# Altium PCB DAC5682.PcbDoc (part 1 of 3) (continued)
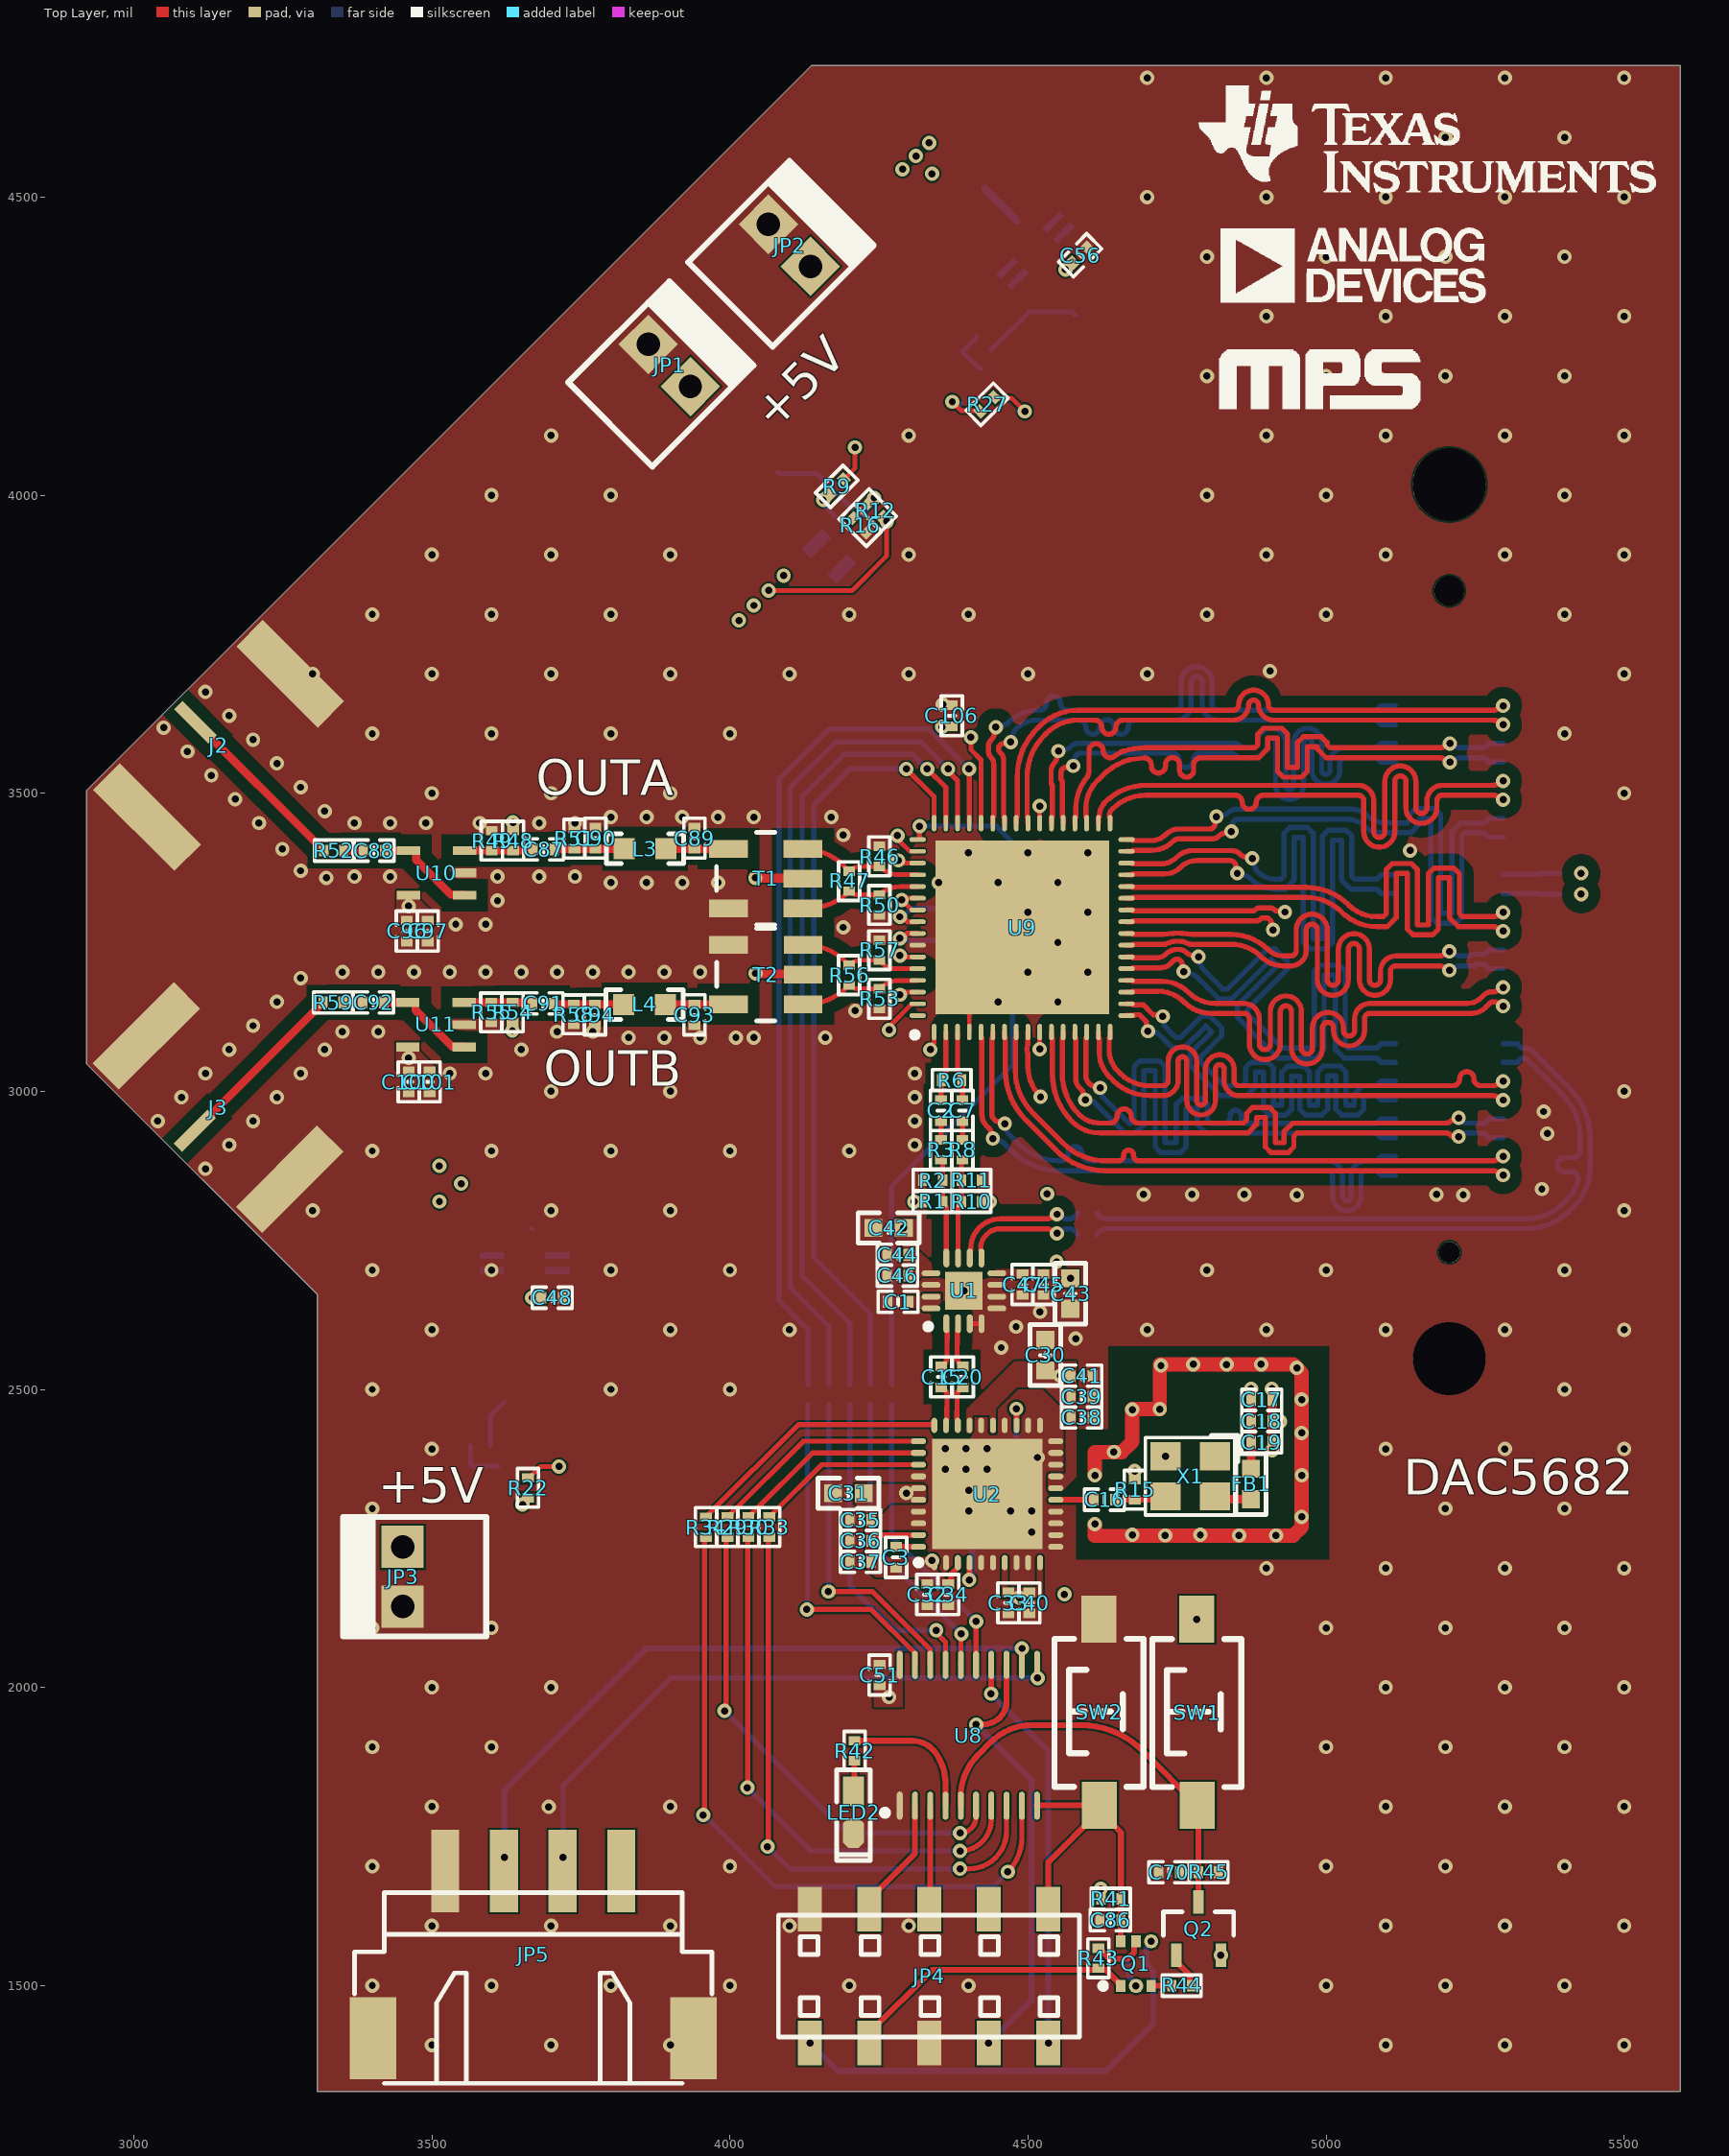
[diagram p0: Top Layer view]
## Design rules (kind name [scope] priority, off if disabled: settings)
Clearance Clearance_1 [InNetClass('Res_Ctrl') vs InNetClass('NO_3V3_D')] p1: gap=20 ignorepadtopadclearanceinfootprint=TRUE
Clearance [All] p2: gap=3 ignorepadtopadclearanceinfootprint=TRUE
DiffPairsRouting DiffPair_100Ohm_Legth_CtrlDiffPairsRouting [InDifferentialPairClass('100Ohm_Length_Equal')] p1: maxlimit=10 minlimit=7.5 mostfreqgap=8 toplayer_minwidth=8.65 toplayer_maxwidth=8.65 toplayer_prefwidth=8.65 midlayer1_minwidth=8.65 midlayer1_maxwidth=8.65 midlayer1_prefwidth=8.65 midlayer2_minwidth=8.65 midlayer2_maxwidth=8.65 midlayer2_prefwidth=8.65 bottomlayer_minwidth=8.65 bottomlayer_maxwidth=8.65 bottomlayer_prefwidth=8.65 maxuncoupledlength=10
DiffPairsRouting DiffPair_100OhmDiffPairsRouting_1 [InDifferentialPairClass('100Ohm')] p2: maxlimit=15 minlimit=7.5 mostfreqgap=8 toplayer_minwidth=8.65 toplayer_maxwidth=8.65 toplayer_prefwidth=8.65 midlayer1_minwidth=8.65 midlayer1_maxwidth=8.65 midlayer1_prefwidth=8.65 midlayer2_minwidth=8.65 midlayer2_maxwidth=8.65 midlayer2_prefwidth=8.65 bottomlayer_minwidth=8.65 bottomlayer_maxwidth=8.65 bottomlayer_prefwidth=8.65 maxuncoupledlength=10
MatchedLengths DiffPair_100Ohm_Legth_CtrlMatchedLengths [InDifferentialPairClass('100Ohm_Length_Equal')] p1: tolerance=10 checknetsindiffpair=FALSE checkdiffpairvsdiffpair=TRUE checkxsignals=TRUE checkothers=TRUE
MatchedLengths DiffPair_MatchedLengths [InDifferentialPairClass('100Ohm')] p2: tolerance=1000 checknetsindiffpair=FALSE checkdiffpairvsdiffpair=TRUE checkxsignals=TRUE checkothers=TRUE
MatchedLengths DiffPair_100OhmMatchedLengths [InDifferentialPairClass('100Ohm_Length_Equal')] p3: tolerance=10 checknetsindiffpair=FALSE checkdiffpairvsdiffpair=TRUE checkxsignals=TRUE checkothers=TRUE
MatchedLengths MatchedLengths_1 [All] p4: tolerance=1000 checknetsindiffpair=FALSE checkdiffpairvsdiffpair=TRUE checkxsignals=TRUE checkothers=TRUE
MatchedLengths [InDifferentialPairClass('100Ohm')] p5: tolerance=1000 checknetsindiffpair=FALSE checkdiffpairvsdiffpair=TRUE checkxsignals=TRUE checkothers=TRUE
MatchedLengths DiffPair_100OhmMatchedLengths_1 [InDifferentialPairClass('100Ohm')] p6: tolerance=10 checknetsindiffpair=FALSE checkdiffpairvsdiffpair=TRUE checkxsignals=TRUE checkothers=TRUE
PlaneConnect [All] p1: planeconnectstyle=Direct reliefexpansion=20 reliefentries=4 reliefconductorwidth=10 reliefairgap=10
PolygonConnect [All] p1: connectstyle=Direct reliefconductorwidth=10 reliefentries=4 polygonreliefangle="90 Angle" airgapwidth=10
RoutingVias [All] p1: holewidth=28 width=50 viastyle="Through Hole" minholewidth=28 minwidth=50 maxholewidth=28 maxwidth=50
SolderMaskExpansion [All] p1: expansion=4 istentingtop=FALSE
Width [All] p1: maxlimit=30 minlimit=7 preferedwidth=10
28 further rules are at their usual default settings.

## Classes and differential pairs
net class NO_3V3_D: +1.8 +3.3 +4V +4V_D +5 +5_D BOOT0 CLK_N CLK_P CP D0_N D0_P D1_N D1_P D2_N D2_P D3_N D3_P D4_N D4_P D5_N D5_P D6_N D6_P D7_N D7_P D8_N D8_P D9_N D9_P D10_N D10_P D11_N D11_P D12_N D12_P D13_N D13_P D14_N D14_P D15_N D15_P D_N D_P DAC_CLKIN_N DAC_CLKIN_P DCLK_IN_N DCLK_IN_P DCLK_N DCLK_P DTR FPGA_CLKIN_N FPGA_CLKIN_P GND IOUTA_N IOUTA_P IOUTB_N IOUTB_P NC NetC1_1 NetC2_1 NetC3_2 NetC5_2 NetC7_1 NetC14_2 NetC16_2 NetC48_1 NetC56_1 NetC87_1 NetC87_2 NetC88_1 NetC88_2 NetC89_1 NetC91_1 NetC91_2 NetC92_1 NetC92_2 NetC93_1 NetC95_1 NetFB1_2 NetFL1_1 NetFL2_1 NetJ2_1 NetJ3_1 NetL1_1 NetL2_1 NetLED1_2 NetLED2_1 NetQ1_2 NetQ1_3 NetQ1_5 NetQ2_1 NetR12_1 NetR21_2 NetR22_2 NetR23_1 NetR26_2 NetR27_2 NetR28_1 NetR61_1 NRST PA2 PA3 PA4 PA5 PA6 PA7 PB0 PB1 PB2 PB3 PF0 PF1 PG Q1_N Q1_P Q2_N Q2_P RESETB_DAC RTS SCK_PLL SCLK_DAC SDENB_DAC SDI_PLL SDIO_DAC SDO_DAC SDO_PLL SEN_PLL SWC SWD SYNC_N SYNC_P UART_RX UART_TX VTUNE XREF
net class Res_Ctrl: CLK_N CLK_P D0_N D0_P D1_N D1_P D2_N D2_P D3_N D3_P D4_N D4_P D5_N D5_P D6_N D6_P D7_N D7_P D8_N D8_P D9_N D9_P D10_N D10_P D11_N D11_P D12_N D12_P D13_N D13_P D14_N D14_P D15_N D15_P D_N D_P DAC_CLKIN_N DAC_CLKIN_P DCLK_IN_N DCLK_IN_P DCLK_N DCLK_P FPGA_CLKIN_N FPGA_CLKIN_P IOUTA_N IOUTA_P IOUTB_N IOUTB_P NetC2_1 NetC7_1 NetC87_1 NetC87_2 NetC88_1 NetC88_2 NetC89_1 NetC91_1 NetC91_2 NetC92_1 NetC92_2 NetC93_1 NetJ2_1 NetJ3_1 Q1_N Q1_P Q2_N Q2_P SYNC_N SYNC_P
differential pair class 100Ohm_Length_Equal: D0 D1 D2 D3 D4 D5 D6 D7 D8 D9 D10 D11 D12 D13 D14 D15 SYNC
differential pair class 100Ohm: CLK D DAC_CLKIN DCLK FPGA_CLKIN Q1 Q2
differential pair DCLK: +DCLK_P -DCLK_N
differential pair DCLK_IN: +DCLK_IN_P -DCLK_IN_N
differential pair SYNC: +SYNC_P -SYNC_N
differential pair D15: +D15_P -D15_N
differential pair D14: +D14_P -D14_N
differential pair D13: +D13_P -D13_N
differential pair D12: +D12_P -D12_N
differential pair D11: +D11_P -D11_N
differential pair D10: +D10_P -D10_N
differential pair D9: +D9_P -D9_N
differential pair D8: +D8_P -D8_N
differential pair D7: +D7_P -D7_N
differential pair D6: +D6_P -D6_N
differential pair D5: +D5_P -D5_N
differential pair D4: +D4_P -D4_N
differential pair D3: +D3_P -D3_N
differential pair D2: +D2_P -D2_N
differential pair D1: +D1_P -D1_N
differential pair D0: +D0_P -D0_N
differential pair Q2: +Q2_P -Q2_N
differential pair Q1: +Q1_P -Q1_N
differential pair FPGA_CLKIN: +FPGA_CLKIN_P -FPGA_CLKIN_N
differential pair DAC_CLKIN: +DAC_CLKIN_P -DAC_CLKIN_N
differential pair D: +D_P -D_N
differential pair CLK: +CLK_P -CLK_N

## Components (designator, comment, footprint, x,y, rotation, side; value= is the part's Value field where it differs from the comment)
C1 "100nF" "C 0402_L" 4282,2646.75 r180 top
C2 "10nF" "C 0402_L" 4354,2967.75 r90 top
C3 "1nF" "C 0402_L" 4278.65,2218.17 r90 top
C4 "56pF" "C 0402_L" 4410.36,2280.46 r270 bottom
C5 "NC" "C 0402_L" 4430.36,2331.46 r0 bottom
C6 "NC" "C 0402_L" 4497.36,2397.46 r180 bottom
C7 "10nF" "C 0402_L" 4390,2967.75 r90 top
C8 "22uF" "C 1206_L" 4250.34,4333.49 r225 bottom
C9 "22uF" "C 1206_L" 3975.98,4061.96 r45 bottom
C10 "22uF" "C 1206_L" 4039.62,3998.32 r45 bottom
C11 "22uF" "C 1206_L" 4312.56,4271.27 r225 bottom
C12 "22uF" "C 1206_L" 3544,2171.75 r90 bottom
C13 "22uF" "C 1206_L" 3632,2171.75 r90 bottom
C14 "1.8nF" "C 0402_L" 4375.36,2347.46 r270 bottom
C15 "10nF" "C 0402_L" 4354.55,2520.84 r90 top
C16 "100nF" "C 0402_L" 4628.08,2315.06 r0 top
C17 "1uF" "C 0402_L" 4891.9,2482.45 r180 top
C18 "10nF" "C 0402_L" 4891.99,2446.81 r180 top
C19 "100pF" "C 0402_L" 4891.93,2411.22 r180 top
C20 "10nF" "C 0402_L" 4390.55,2520.84 r90 top
C21 "22uF" "C 1206_L" 4118.11,3815.18 r135 bottom
C22 "22uF" "C 1206_L" 3975.15,3752.96 r45 bottom
C23 "10uF" "C 0805_L" 3512.6,2777.74 r270 bottom
C24 "10uF" "C 0805_L" 3512.38,2912.28 r90 bottom
C25 "10uF" "C 0805_L" 3724,2591.75 r180 bottom
C26 "10uF" "C 0805_L" 3590,2591.75 r0 bottom
C27 "10uF" "C 0805_L" 3724,2519.75 r180 bottom
C28 "10uF" "C 0805_L" 3590,2519.75 r0 bottom
C29 "4.7uF" "C 0603_L" 4561,2130.75 r90 bottom
C30 "4.7uF" "C 0603_L" 4529,2557.34 r270 top
C31 "4.7uF" "C 0603_L" 4198.71,2325.75 r0 top
C32 "470nF" "C 0402_L" 4331,2155.75 r90 top
C33 "470nF" "C 0402_L" 4467,2141.75 r90 top
C34 "470nF" "C 0402_L" 4366,2155.75 r90 top
C35 "470nF" "C 0402_L" 4218.71,2280.75 r0 top
C36 "470nF" "C 0402_L" 4218.71,2245.75 r0 top
C37 "470nF" "C 0402_L" 4218.75,2210.75 r0 top
C38 "470nF" "C 0402_L" 4590,2452.75 r180 top
C39 "470nF" "C 0402_L" 4590,2487.75 r180 top
C40 "22pF" "C 0402_L" 4502,2141.75 r90 top
C41 "22pF" "C 0402_L" 4590,2522.75 r180 top
C42 "1uF" "C 0603_L" 4266,2770.75 r0 top
C43 "1uF" "C 0603_L" 4571,2660.75 r90 top
C44 "1nF" "C 0402_L" 4281,2725.75 r0 top
C45 "1nF" "C 0402_L" 4526,2675.75 r90 top
C46 "100pF" "C 0402_L" 4281,2690.75 r0 top
C47 "100pF" "C 0402_L" 4491,2675.75 r90 top
C48 "10nF" "C 0402_L" 3701.71,2653.75 r0 top
C49 "10uF" "C 0805_L" 4263.07,4520.17 r225 bottom
C50 "10uF" "C 0805_L" 4357.82,4614.92 r45 bottom
C51 "100nF" "C 0402_L" 4251,2020.75 r90 top
C52 "10uF" "C 0805_L" 4698.64,4319.35 r225 bottom
C53 "10uF" "C 0805_L" 4552.98,4275.51 r45 bottom
C54 "10uF" "C 0805_L" 4647.73,4370.26 r225 bottom
C55 "10uF" "C 0805_L" 4603.89,4224.6 r45 bottom
C56 "10nF" "C 0402_L" 4587.3,4402.39 r45 top
C57 "100nF" "C 0402_L" 4336,3225.76 r180 bottom
C58 "100nF" "C 0402_L" 4320,3139.59 r90 bottom
C59 "100nF" "C 0402_L" 4231,3245.75 r0 bottom
C60 "100nF" "C 0402_L" 4336,3190.76 r180 bottom
C61 "100nF" "C 0402_L" 4337,3334.76 r180 bottom
C62 "100nF" "C 0402_L" 4337,3369.76 r180 bottom
C63 "100nF" "C 0402_L" 4231,3315.74 r0 bottom
C64 "100nF" "C 0402_L" 4231,3280.74 r0 bottom
C65 "100nF" "C 0402_L" 4231,3385.74 r0 bottom
C66 "100nF" "C 0402_L" 4231,3350.74 r0 bottom
C67 "100nF" "C 0402_L" 4483.31,3000.69 r45 bottom
C68 "100nF" "C 0402_L" 4508.06,2975.94 r45 bottom
C69 "100nF" "C 0402_L" 4532.81,2951.2 r45 bottom
C70 "1uF" "C 0402_L" 4736.52,1689.96 r0 top
C71 "100nF" "C 0402_L" 4286,3463.03 r270 bottom
C72 "100nF" "C 0402_L" 4251,3463.03 r270 bottom
C73 "100nF" "C 0402_L" 4216,3463.03 r270 bottom
C74 "100nF" "C 0402_L" 4386,3065.76 r180 bottom
C75 "100nF" "C 0402_L" 4386,3100.76 r180 bottom
C76 "100nF" "C 0402_L" 4386,3135.76 r180 bottom
C77 "100nF" "C 0402_L" 4541,3480.75 r180 bottom
C78 "100nF" "C 0402_L" 4474.03,3480.75 r0 bottom
C79 "100nF" "C 0402_L" 4508.45,3532.45 r270 bottom
C80 "100nF" "C 0402_L" 4216,3085.75 r90 bottom
C81 "100nF" "C 0402_L" 4251,3085.75 r90 bottom
C82 "100nF" "C 0402_L" 4286,3085.75 r90 bottom
C83 "100nF" "C 0402_L" 4553.78,3036.06 r180 bottom
C84 "100nF" "C 0402_L" 4553.78,3071.06 r180 bottom
C85 "100nF" "C 0402_L" 4553.78,3106.06 r180 bottom
C86 "1uF" "C 0402_L" 4637.97,1609.75 r180 top
C87 "100nF" "C 0402_L" 3687.38,3405.61 r0 top
C88 "100nF" "C 0402_L" 3402.77,3403.77 r0 top
C89 "22pF" "C 0402_L" 3940.43,3424.58 r90 top
C90 "22pF" "C 0402_L" 3774.34,3424.58 r90 top
C91 "100nF" "C 0402_L" 3686.55,3147.27 r0 top
C92 "100nF" "C 0402_L" 3401.8,3149.16 r0 top
C93 "22pF" "C 0402_L" 3940.27,3128.26 r270 top
C94 "22pF" "C 0402_L" 3773.27,3128.26 r270 top
C95 "100nF" "C 0402_L" 4411,3275.75 r0 bottom
C96 "100nF" "C 0402_L" 3458,3268.75 r90 top
C97 "100pF" "C 0402_L" 3493,3268.75 r90 top
C98 "100pF" "C 0402_L" 4024.87,3374.66 r0 bottom
C99 "100pF" "C 0402_L" 4024.87,3339.66 r0 bottom
C100 "100nF" "C 0402_L" 3461,3015.75 r90 top
C101 "100pF" "C 0402_L" 3496,3015.75 r90 top
C102 "100pF" "C 0402_L" 4024.87,3214 r0 bottom
C103 "100pF" "C 0402_L" 4024.87,3179 r0 bottom
C104 "10nF" "C 0402_L" 5410.16,3365.66 r180 bottom
C105 "10nF" "C 0402_L" 5410.16,3330.66 r180 bottom
C106 "10nF" "C 0402_L" 4372.07,3630 r270 top
FB1 "120@1MHz" "R 0603_L" 4873.95,2341.27 r270 top
FL1 "NFM18PC104R1C3D" FIL_NFM18PC104R1C3D 3599.5,2844.26 r180 bottom
FL2 "NFM18PC104R1C3D" FIL_NFM18PC104R1C3D 4371.25,4506.73 r135 bottom
J1 "5177984-2" CONN_5177984-2_TYC 5119.83,2827.82 r90 bottom
J2 "132414" CONN_132414_AMP 3000.79,3721.57 r45 top
J3 "132414" CONN_132414_AMP 2999.78,2831.33 r135 top
JP1 "HDR-1X2" KF2510-LI-2P 3898.2,4217.53 r315 top
JP2 "HDR-1X2" KF2510-LI-2P 4099.72,4419.05 r315 top
JP3 "HDR-1X2" KF2510-LI-2P 3451,2185.75 r90 top
JP4 "Header 5X2" HDR2.54-M-LS-2x5P 4333.97,1515.75 r0 top
JP5 "HDR-1X4" XH2.54-WS-4P 3670,1496 r0 top
L1 "2.2uH" L-SMD-0630 3884,2277.75 r90 bottom
L2 "2.2uH" L-SMD-0630 4561.46,3950.24 r45 bottom
L3 "100nH" "L 0603" 3857.39,3406.86 r180 top
L4 "100nH" "L 0603" 3856.77,3145.52 r180 top
LED1 "红色" "LED 0603R" 4184.24,4106.17 r315 bottom
LED2 "绿色" "LED 0603G" 4206.97,1790.75 r270 top
Q1 "MBT3904DW1T1G" ONSC-SOT-363-6-419B-02_W_V 4680.97,1536.75 r90 top
Q2 "SS8550" SOT23-3L 4785.97,1595.75 r0 top
R1 "NC" "R 0402_L" 4341,2814.75 r180 top
R2 "180" "R 0402_L" 4341,2850.75 r180 top
R3 "50" "R 0402_L" 4354,2900.75 r90 top
R4 "0" "R 0402_L" 4446.36,2282.46 r270 bottom
R5 "0" "R 0402_L" 4481.36,2347.46 r270 bottom
R6 "100" "R 0402_L" 4373,3018.75 r180 top
R7 "2.2K" "R 0402_L" 4375.36,2282.46 r270 bottom
R8 "50" "R 0402_L" 4390,2900.75 r90 top
R9 "500" "R 0402_L" 4178.5,4014.01 r45 top
R10 "NC" "R 0402_L" 4406,2814.75 r180 top
R11 "180" "R 0402_L" 4406,2850.75 r180 top
R12 "60K" "R 0402_L" 4243.14,3975.76 r315 top
R13 "182" "R 0402_L" 4548.57,2809.51 r90 bottom
R14 "48" "R 0402_L" 4650,2809.75 r90 bottom
R15 "100" "R 0402_L" 4679.07,2330.56 r90 top
R16 "30K" "R 0402_L" 4217.69,3950.31 r315 top
R17 "48" "R 0402_L" 4598.13,2795.85 r0 bottom
R18 "48" "R 0402_L" 4598.13,2759.85 r0 bottom
R19 "182" "R 0402_L" 4548.61,2744.11 r90 bottom
R20 "48" "R 0402_L" 4650,2744.04 r90 bottom
R21 "510K" "R 0402_L" 3582,2404.75 r180 bottom
R22 "100K" "R 0402_L" 3661,2333.75 r90 top
R23 "30.9K" "R 0402_L" 3652,2807.75 r180 bottom
R24 "100K" "R 0402_L" 3566,2355.75 r270 bottom
R25 "10K" "R 0402_L" 3685,2843.75 r180 bottom
R26 "510K" "R 0402_L" 4426.91,4254.5 r135 bottom
R27 "100K" "R 0402_L" 4430.65,4151.76 r45 top
R28 "30.9K" "R 0402_L" 4441.96,4477.03 r225 bottom
R29 "33" "R 0402_L" 3995.99,2268.04 r90 top
R30 "33" "R 0402_L" 4030.99,2268.04 r90 top
R31 "100K" "R 0402_L" 4379.03,4229.24 r225 bottom
R32 "10K" "R 0402_L" 4440.55,4526.53 r225 bottom
R33 "33" "R 0402_L" 4065.99,2268.04 r90 top
R34 "33" "R 0402_L" 3959.62,2267.99 r90 top
R35 "33" "R 0402_L" 4271,2490.75 r90 bottom
R36 "33" "R 0402_L" 4236,2490.75 r90 bottom
R37 "33" "R 0402_L" 4201,2490.75 r90 bottom
R38 "10K" "R 0402_L" 4682.97,1536.75 r180 bottom
R39 "33" "R 0402_L" 4166,2490.75 r90 bottom
R40 "33" "R 0402_L" 4131,2490.75 r90 bottom
R41 "10K" "R 0402_L" 4637.97,1645.16 r0 top
R42 "10K" "R 0402_L" 4208.97,1894.75 r270 top
R43 "10K" "R 0402_L" 4617.97,1544.75 r90 top
R44 "10K" "R 0402_L" 4756.97,1499.75 r0 top
R45 "10K" "R 0402_L" 4803.68,1690.03 r180 top
R46 "50" "R 0402_L" 4250.74,3395.06 r270 top
R47 "100" "R 0402_L" 4200.07,3351.4 r90 top
R48 "10K" "R 0402_L" 3635.99,3419.5 r90 top
R49 "10K" "R 0402_L" 3600.55,3419.52 r90 top
R50 "50" "R 0402_L" 4250.73,3311.66 r90 top
R51 "50" "R 0402_L" 3739.06,3424.58 r270 top
R52 "50" "R 0402_L" 3334.31,3403.81 r0 top
R53 "50" "R 0402_L" 4250.73,3154.18 r90 top
R54 "10K" "R 0402_L" 3635.19,3133.39 r270 top
R55 "10K" "R 0402_L" 3599.61,3133.38 r270 top
R56 "100" "R 0402_L" 4200.07,3195.88 r270 top
R57 "50" "R 0402_L" 4250.74,3237.58 r270 top
R58 "50" "R 0402_L" 3737.76,3128.05 r90 top
R59 "50" "R 0402_L" 3333.3,3149.1 r0 top
R60 "100" "R 0402_L" 5357.9,3347.22 r90 bottom
R61 "1K" "R 0402_L" 4411,3240.75 r0 bottom
SW1 "3x6x5" "TSW SMD-3*6*2.5" 4783.15,1959.43 r90 top
SW2 "3x6x5" "TSW SMD-3*6*2.5" 4618.97,1959.75 r90 top
T1 "TC1-1T+" FP-TC1-1-13M+-MFG 4059.97,3356.86 r270 top
T2 "TC1-1T+" FP-TC1-1-13M+-MFG 4060.07,3195.88 r270 top
U1 "ADCLK925BCPZ-WP" ADI-CP-16-3_L 4392.48,2665.31 r90 top
U2 "HMC832LP6GE" ADI-LP6G-40_L 4431.36,2324.46 r90 top
U3 "MPM3810GQB-P" QFN2p5x3p0x0p9_MNP 4185.16,3916.36 r135 bottom
U4 "TLV62568DBVR" FP-DBV0005A-MFG 3662.18,2333.15 r180 bottom
U5 "TPS7A8001DRBT" DRB0008A_V 3655.38,2711.82 r270 bottom
U6 "TLV62568DBVR" FP-DBV0005A-MFG 4432.06,4150.35 r135 bottom
U7 "TPS7A8001DRBT" DRB0008A_V 4512.67,4410.57 r315 bottom
U8 "Air001" TSSOP20_L 4399.97,1919.75 r90 top
U9 "DAC5682ZIRGCT" TI-RGC64-7400X7400TP_V 4490.07,3274.62 r90 top
U10 "TPH2501-TR" SOT23-5 3554.97,3328.97 r90 top
U11 "TPH2501-TR" SOT23-5 3554,3074.35 r90 top
X1 "OT322550MJBA4SL" "OSC 3225-4P" 4772.08,2354.06 r180 top

## Footprints (in the part's own frame and the unit in brackets; to place one, negate y for a bottom-side part, rotate by r counter-clockwise, add the part's x,y. Pads: shape width x height; smd on the part's side, far side on the other; paste and mask are expansions set on the pad)
ADI-CP-16-3_L [mm] "QFN, 16-Leads, Body 3x3mm, Pitch 0.5mm, Thermal Pad 1.5x1.5mm, IPC High Density"
  oval 0.8x0.25 smd mask+0: 1(-1.4,0.75) 2(-1.4,0.25) 3(-1.4,-0.25) 4(-1.4,-0.75) 9(1.4,-0.75) 10(1.4,-0.25) 11(1.4,0.25) 12(1.4,0.75)
  oval 0.25x0.8 smd mask+0: 5(-0.75,-1.4) 6(-0.25,-1.4) 7(0.25,-1.4) 8(0.75,-1.4) 13(0.75,1.4) 14(0.25,1.4) 15(-0.25,1.4) 16(-0.75,1.4)
  rect 1.6x1.6 smd mask+0: 17(0,0)
  silkscreen extent -1.65,1.4 -1.4,1.65, body extent -1.55,-1.55 1.55,1.55, height 0.9
ADI-LP6G-40_L [mm] "QFN, 40-Leads, Body 6.1x6.1mm, Pitch 0.5mm, Thermal Pad 4.7x4.7mm, IPC High Density"
  oval 0.65x0.25 smd mask+0: 1(-2.925,2.25) 2(-2.925,1.75) 3(-2.925,1.25) 4(-2.925,0.75) 5(-2.925,0.25) 6(-2.925,-0.25) 7(-2.925,-0.75) 8(-2.925,-1.25) 9(-2.925,-1.75) 10(-2.925,-2.25) 21(2.925,-2.25) 22(2.925,-1.75) 23(2.925,-1.25) 24(2.925,-0.75) 25(2.925,-0.25) 26(2.925,0.25) 27(2.925,0.75) 28(2.925,1.25) 29(2.925,1.75) 30(2.925,2.25)
  oval 0.25x0.65 smd mask+0: 11(-2.25,-2.925) 12(-1.75,-2.925) 13(-1.25,-2.925) 14(-0.75,-2.925) 15(-0.25,-2.925) 16(0.25,-2.925) 17(0.75,-2.925) 18(1.25,-2.925) 19(1.75,-2.925) 20(2.25,-2.925) 31(2.25,2.925) 32(1.75,2.925) 33(1.25,2.925) 34(0.75,2.925) 35(0.25,2.925) 36(-0.25,2.925) 37(-0.75,2.925) 38(-1.25,2.925) 39(-1.75,2.925) 40(-2.25,2.925)
  rect 4.7x4.7 smd mask+0: 41(0,0)
  silkscreen extent -3.05,2.8 -2.8,3.05, body extent -3,-3 3,3, height 0.9
"C 0402_L" [mm] "无极性贴片电容"
  rect 0.4x0.5 smd: 1(-0.45,0) 2(0.45,0)
  silkscreen extent -0.85,-0.45 0.85,0.45, body extent -0.5,-0.26 0.5,0.26, height 0.53
"C 0603_L" [mil] "无极性贴片电容"
  rect 30x30 smd: 1(-25.59,0) 2(25.59,0)
  silkscreen extent -51,-26 51,26, body extent -31,-16 31,16, height 32
"C 0805_L" [mil] "无极性贴片电容"
  rect 35x50 smd: 1(-37.4,0) 2(37.4,0)
  silkscreen extent -67,-36 67,36, body extent -39,-24 39,24, height 20
"C 1206_L" [mil] "无极性贴片电容 https://item.taobao.com/item.htm?ft=t&id=613637044352"
  rect 55x62 smd: 1(-55.12,0) 2(57.09,0)
  silkscreen extent -96,-44 98,44, body extent -63,-32 63,32, height 48
CONN_132414_AMP [mil]
  rect 20x81 smd paste+0 mask+0: 1(0,-145)
  rect 63x193 smd mask+0: 2(-170,-200) 3(170,-200)
  rect 405x193 smd far side mask+0: 4(0,-200)
  body extent -187,-292 187,270, height 162
CONN_5177984-2_TYC [mil]
  rect 12x60 smd mask+0: 1(0,-3.94) 2(31.5,-3.94) 3(62.99,-3.94) 4(94.49,-3.94) 5(125.98,-3.94) 6(157.48,-3.94) 7(188.98,-3.94) 8(220.47,-3.94) 9(251.97,-3.94) 10(283.46,-3.94) 11(314.96,-3.94) 12(346.46,-3.94) 13(377.95,-3.94) 14(409.45,-3.94) 15(440.94,-3.94) 16(472.44,-3.94) 17(503.94,-3.94) 18(535.43,-3.94) 19(566.93,-3.94) 22(661.42,-3.94) 23(692.91,-3.94) 24(724.41,-3.94) 25(755.91,-3.94) 26(787.4,-3.94) 27(818.9,-3.94) 28(850.39,-3.94) 29(881.89,-3.94) 30(913.39,-3.94) 31(0,177.17) 32(31.5,177.17) 33(62.99,177.17) 34(94.49,177.17) 35(125.98,177.17) 36(157.48,177.17) 37(188.98,177.17) 38(220.47,177.17) 39(251.97,177.17) 40(283.46,177.17) 41(314.96,177.17) 42(346.46,177.17) 43(377.95,177.17) 44(409.45,177.17) 45(440.94,177.17) 46(472.44,177.17) 47(503.94,177.17) 48(535.43,177.17) 49(566.93,177.17) 50(598.43,177.17) 51(629.92,177.17) 52(661.42,177.17) 53(692.91,177.17) 54(724.41,177.17) 55(755.91,177.17) 56(787.4,177.17) 57(818.9,177.17) 58(850.39,177.17) 59(881.89,177.17) 60(913.39,177.17)
  round 35 hole 35 unplated mask+0: 61(-98,87)
  round 50 hole 50 unplated mask+0: 62(1011.69,86.61)
  silkscreen extent -135,-36 1048,210, body extent -130,-31 1043,205, height 182
DRB0008A_V [mm] "SON, 8-Leads, Body 3x3mm, Pitch 0.65mm, Thermal Pad 1.50 x 3.8mm"
  rrect29% 0.85x0.35 smd paste+0 mask+0: 1(-1.475,0.975) 2(-1.475,0.325) 3(-1.475,-0.325) 4(-1.475,-0.975) 5(1.475,-0.975) 6(1.475,-0.325) 7(1.475,0.325) 8(1.475,0.975)
  round 0.025 smd mask+0: 9(-0.325,-1.388) 9(-0.325,1.387) 9(0.325,1.387) 9(0.325,-1.388)
  rrect7% 1.5x1.75 smd paste+0 mask+0: 9(0,0)
  Top Layer region: 0.185,-0.875 0.185,-1.9 0.465,-1.9 0.465,-0.875
  Top Layer region: -0.185,-0.875 -0.185,-1.9 -0.465,-1.9 -0.465,-0.875
  Top Layer region: 0.185,0.875 0.185,1.9 0.465,1.9 0.465,0.875
  Top Layer region: -0.185,0.875 -0.185,1.9 -0.465,1.9 -0.465,0.875
  silkscreen extent -2.02,1.53 -1.93,1.62, body extent -1.5,-1.5 1.5,1.5, height 1
FIL_NFM18PC104R1C3D [mm]
  rect 0.6x0.6 smd mask+0: 1(-0.8,0) 3(0.8,0)
  rect 0.4x1.27 smd mask+0: 2(0,0)
  rect 0.4x1.27 on Bottom Solder mask+0: ""(0,0)
  body extent -0.8,-0.4 0.8,0.4, height 0.7
FP-DBV0005A-MFG [mm]
  rrect17% 1.1x0.6 smd paste+0 mask+0: 1(-1.3,0.95) 2(-1.3,0) 3(-1.3,-0.95) 4(1.3,-0.95) 5(1.3,0.95)
  body extent -1.4,-1.45 1.4,1.45, height 1.45
FP-TC1-1-13M+-MFG [mil]
  rect 30x65 smd paste+0 mask+0: 1(-50,62.5) 2(0,62.5) 3(50,62.5) 4(50,-62.5) 6(-50,-62.5)
  silkscreen extent -78,-82 78,15, body extent -81,-99 81,99, height 10
HDR2.54-M-LS-2x5P [mm] "脚距：2.54mm，贴片双排母"
  rect 1.02x1.9 smd: 1(-5.08,2.85) 2(-5.08,-2.85) 3(-2.54,2.85) 4(-2.54,-2.85) 5(0,2.85) 6(0,-2.85) 7(2.54,2.85) 8(2.54,-2.85) 9(5.08,2.85) 10(5.08,-2.85)
  silkscreen extent -6.42,-2.6 6.41,2.6, body extent -6.38,-3.2 6.38,3.2, height 5.15
KF2510-LI-2P [mm] "接插件/2A"
  rect 1.8x1.8 hole 1: 1(-1.27,0) 2(1.27,0)
  silkscreen extent -2.59,-3.56 2.54,2.54, body extent -2.54,-3.5 2.54,2.4, height 11.05
"L 0603" [mil] "小功率贴片电感"
  rect 35x35 smd: 1(-35,0) 2(35,0)
  silkscreen extent -65,-25 65,25, body extent -31,-16 31,16, height 31
L-SMD-0630 [mm] "一体化成型电感"
  rect 3x3.5 smd: 1(-3.175,0) 2(3.175,0)
  silkscreen extent -3.66,-3.48 3.66,3.48, body extent -3.47,-3.3 3.48,3.3, height 3.05
"LED 0603G" [mil] "绿色0603LED"
  rect 50x35 smd: 1(-35,0.26)
  oct 50x35 smd: 2(35,0.26)
  silkscreen extent -71,-28 81,28, body extent -31,-16 32,16, height 18
"LED 0603R" [mil] "红色0603LED"
  rect 50x35 smd: 1(-35,0.26)
  oct 50x35 smd: 2(35,0.26)
  silkscreen extent -71,-28 81,28, body extent -31,-16 31,16, height 24
ONSC-SOT-363-6-419B-02_W_V [mm] "SOT23, 6-Leads, Body 2x1.25mm, Pitch 0.65mm"
  rect 0.5x0.4 smd mask+0: 1(-0.95,0.65) 2(-0.95,0) 3(-0.95,-0.65) 4(0.95,-0.65) 5(0.95,0) 6(0.95,0.65)
  silkscreen extent -1.07,1.28 -0.83,1.52, body extent -0.63,-1 0.63,1, height 1.1
"OSC 3225-4P" [mm] "3.2*2.5*0.7mm(长宽高)  淘宝ID:小糖豆的小窝窝"
  rect 1.3x1.2 smd: 1(-1.05,-0.85) 2(1.05,-0.85) 3(1.05,0.85) 4(-1.05,0.85)
  silkscreen extent -2.03,-1.75 1.91,1.65, body extent -1.6,-1.25 1.6,1.25, height 0.7
QFN2p5x3p0x0p9_MNP [mil]
  rect 41x8 smd paste+0 mask+0: 1(-40.35,27.57) 2(-40.35,11.81) 7(40.35,11.81) 8(40.35,27.57)
  rect 20x10 smd paste+0 mask+0: 3(-50.87,-13.78) 4(-50.87,-39.38) 5(50.87,-39.38) 6(50.87,-13.78)
  rect 8x28 smd paste+0 mask+0: 9(29.54,57.09) 10(9.84,57.09) 11(-9.84,57.09) 12(-29.54,57.09)
  Top Layer region: 19.21,-50.2 19.21,-2.96 40.87,-2.96 40.87,-50.2
  Top Layer region: -40.87,-50.2 -40.87,-2.96 -19.21,-2.96 -19.21,-50.2
  silkscreen extent -56,-66 56,66, body extent -49,-59 49,59, height 33
"R 0402_L" [mm] "1/16W贴片电阻 https://item.taobao.com/item.htm?ft=t&id=613637044352"
  rect 0.4x0.5 smd: 1(-0.4,0) 2(0.45,0)
  silkscreen extent -0.8,-0.45 0.85,0.45, body extent -0.5,-0.25 0.5,0.25, height 0.3
"R 0603_L" [mil] "1/10W贴片电阻 https://item.taobao.com/item.htm?ft=t&id=613637044352"
  rect 30x30 smd: 1(-25.59,0) 2(25.59,0)
  silkscreen extent -51,-26 51,26, body extent -31,-16 32,16, height 16
SOT23-3L [mm] "3x1.3x1mm(长宽高)"
  rect 0.45x1 smd: 1(-0.95,-1.143) 2(0.95,-1.143) 3(0,1.125)
  silkscreen extent -1.5,-0.3 1.5,0.7, body extent -1.5,-1.2 1.5,1.2, height 1.05
SOT23-5 [mm]
  rect 0.381x1 smd mask+0: 1(0,0) 2(0.95,0) 3(1.9,0) 4(1.9,2.4) 5(0,2.4)
  body extent -0.5,-0.2 2.4,2.6, height 1.09
TI-RGC64-7400X7400TP_V [mm] "QFN, 64-Leads, Body 9x9mm, Pitch 0.5mm, Thermal Pad 7.4x7.4mm, TI Recommended"
  oval 0.7x0.2 smd mask+0: 1(-4.45,3.75) 2(-4.45,3.25) 3(-4.45,2.75) 4(-4.45,2.25) 5(-4.45,1.75) 6(-4.45,1.25) 7(-4.45,0.75) 8(-4.45,0.25) 9(-4.45,-0.25) 10(-4.45,-0.75) 11(-4.45,-1.25) 12(-4.45,-1.75) 13(-4.45,-2.25) 14(-4.45,-2.75) 15(-4.45,-3.25) 16(-4.45,-3.75) 33(4.45,-3.75) 34(4.45,-3.25) 35(4.45,-2.75) 36(4.45,-2.25) 37(4.45,-1.75) 38(4.45,-1.25) 39(4.45,-0.75) 40(4.45,-0.25) 41(4.45,0.25) 42(4.45,0.75) 43(4.45,1.25) 44(4.45,1.75) 45(4.45,2.25) 46(4.45,2.75) 47(4.45,3.25) 48(4.45,3.75)
  oval 0.2x0.7 smd mask+0: 17(-3.75,-4.45) 18(-3.25,-4.45) 19(-2.75,-4.45) 20(-2.25,-4.45) 21(-1.75,-4.45) 22(-1.25,-4.45) 23(-0.75,-4.45) 24(-0.25,-4.45) 25(0.25,-4.45) 26(0.75,-4.45) 27(1.25,-4.45) 28(1.75,-4.45) 29(2.25,-4.45) 30(2.75,-4.45) 31(3.25,-4.45) 32(3.75,-4.45) 49(3.75,4.45) 50(3.25,4.45) 51(2.75,4.45) 52(2.25,4.45) 53(1.75,4.45) 54(1.25,4.45) 55(0.75,4.45) 56(0.25,4.45) 57(-0.25,4.45) 58(-0.75,4.45) 59(-1.25,4.45) 60(-1.75,4.45) 61(-2.25,4.45) 62(-2.75,4.45) 63(-3.25,4.45) 64(-3.75,4.45)
  rect 7.4x7.4 smd mask+0: 65(0,0)
  silkscreen extent -4.7,4.45 -4.45,4.7, body extent -4.5,-4.5 4.5,4.5, height 1
TSSOP20_L [mm] "6.5*6.4*1（长宽高）"
  oval 1.2x0.25 smd mask+0: 1(-3,2.925) 2(-3,2.275) 3(-3,1.625) 4(-3,0.975) 5(-3,0.325) 6(-3,-0.325) 7(-3,-0.975) 8(-3,-1.625) 9(-3,-2.275) 10(-3,-2.925) 11(3,-2.925) 12(3,-2.275) 13(3,-1.625) 14(3,-0.975) 15(3,-0.325) 16(3,0.325) 17(3,0.975) 18(3,1.625) 19(3,2.275) 20(3,2.925)
  silkscreen extent -3.43,3.43 -3.17,3.69, body extent -3.2,-3.25 3.2,3.25, height 1.03
"TSW SMD-3*6*2.5" [mm] "3*6*2.5mm"
  rect 2x1.5 smd: 1(-3.996,-0.02) 2(3.937,0)
  silkscreen extent -3.21,-1.9 3.09,1.9, body extent -4,-1.88 4,1.62, height 2.59
XH2.54-WS-4P [mm] "长：15mm，宽：8mm，高：6.1mm"
  rect 2x3.5 smd: 0(-6.827,-2.15) 0(6.827,-2.15)
  rect 1.2x3.5 smd: 1(-3.75,4.981) 2(-1.25,4.981) 3(1.25,4.981) 4(3.75,4.981)
  silkscreen extent -7.62,-4.06 7.62,4.06, body extent -7.5,-4 7.5,6.42, height 6.05

## Part data
C1 C2 C3 C4 C5 C6 C7 C8 C9 C10 C11 C12 C13 C14 C15 C16 C17 C18 C19 C20 C21 C22 C23 C24 C25 C26 C27 C28 C29 C30 C31 C32 C33 C34 C35 C36 C37 C38 C39 C40 C41 C42 C43 C44 C45 C46 C47 C48 C49 C50 C51 C52 C53 C54 C55 C56 C57 C58 C59 C60 C61 C62 C63 C64 C65 C66 C67 C68 C69 C70 C71 C72 C73 C74 C75 C76 C77 C78 C79 C80 C81 C82 C83 C84 C85 C86 C87 C88 C89 C90 C91 C92 C93 C94 C95 C96 C97 C98 C99 C100 C101 C102 C103 C104 C105 C106: library part C, "贴片电容", BOM名称=贴片电容, 下单链接=https://item.taobao.com/item.htm?ft=t&id=613637044352, 淘宝ID=小糖豆的小窝窝
FB1 R1 R2 R3 R4 R5 R6 R7 R8 R9 R10 R11 R12 R13 R14 R15 R16 R17 R18 R19 R20 R21 R22 R23 R24 R25 R26 R27 R28 R29 R30 R31 R32 R33 R34 R35 R36 R37 R38 R39 R40 R41 R42 R43 R44 R45 R46 R47 R48 R49 R50 R51 R52 R53 R54 R55 R56 R57 R58 R59 R60 R61: library part R, "贴片电阻", BOM名称=贴片电阻, 下单链接=https://item.taobao.com/item.htm?ft=t&id=613637044352, 淘宝ID=小糖豆的小窝窝
FL1 FL2: "SMD Capacitor with Capacitance: 0.10uF Tol. 20%. Rated Voltage: 16Vdc", Package=NONSTANDARD, Digi-Key_Part_Number=490-6969-1-ND, Digi-Key_Purchase_URL=https://www.digikey.com/product-detail/en/murata-electronics/NFM18PC104R1C3D/490-6969-1-ND/3846166?utm_source=snapeda&utm_medium=aggregator&utm_campaign=symbol, MF=Murata, MP=NFM18PC104R1C3D, SnapEDA_Link=https://www.snapeda.com/parts/NFM18PC104R1C3D/Murata/view-part/4375738/?ref=snap
J1: "No Description Available", Mfr_Name="TE Connectivity", Copyright="Copyright (C) 2022 Ultra Librarian. All rights reserved.", Manufacturer_Part_Number=5177984-2, RefDes=RefDes, Type=DEV
J2 J3: "No Description Available", Mfr_Name="Amphenol ICC", Copyright="Copyright (C) 2022 Ultra Librarian. All rights reserved.", Manufacturer_Part_Number=132414, RefDes=RefDes, Type=DEV
JP1 JP2 JP3: library part "Header 2", "2P接插件", BOM名称=2P接插件, 下单链接=https://item.taobao.com/item.htm?ft=t&id=613637044352, 淘宝ID=小糖豆的小窝窝
JP4: "5*2P接插件", BOM名称=5*2P接插件, 下单链接=https://item.taobao.com/item.htm?ft=t&id=613637044352, 淘宝ID=小糖豆的小窝窝
JP5: library part "Header 4", "4P接插件", BOM名称=4P接插件, 下单链接=https://item.taobao.com/item.htm?ft=t&id=613637044352, 淘宝ID=小糖豆的小窝窝
L1 L2: library part L-CDRH, "功率屏蔽电感", BOM名称=功率屏蔽电感, 下单链接=https://item.taobao.com/item.htm?ft=t&id=613637044352, 淘宝ID=小糖豆的小窝窝
L3 L4: library part L, "小功率贴片电感", BOM名称=小功率贴片电感, 下单链接=https://item.taobao.com/item.htm?ft=t&id=613637044352
LED1 LED2: library part LED-SMD, "贴片LED", BOM名称=贴片LED, 下单链接=https://item.taobao.com/item.htm?ft=t&id=613637044352, 淘宝ID=小糖豆的小窝窝
Q1: library part CMP-1048-00877-1, "Dual General Purpose Transistors, 6-Pin SOT-363, Pb-Free, Tape and Reel", Manufacturer="On Semiconductor", ComponentLink1Description="Manufacturer URL", ComponentLink1URL=http://www.onsemi.com/, ComponentLink2Description=Datasheet, ComponentLink2URL=http://www.onsemi.com/pub_link/Collateral/MBT3904DW1T1-D.PDF, ComponentLink3Description="Package Specification", ComponentLink3URL=http://www.onsemi.com/pub_link/Collateral/NTJD4001N-D.PDF, DatasheetVersion="Rev. 9", fT Min (MHz)=300, IC Continuous (A)=0.2, Mounting Technology="Surface Mount", PackageDescription="6-Pin Small Outline Transistor, Body 2 x 1.25 mm, Pitch 0.65 mm", PackageReference=SOT-363-6-419B-02_W, PackageVersion="Rev. W, 01/2006", Packing="Tape and Reel", PartNumber=MBT3904DW1T1G, Polarity="Dual NPN", RoHS=TRUE
Q2: library part 8550-SMD, "高频放大-PNP型", BOM名称=高频放大-PNP型, 下单链接=https://item.taobao.com/item.htm?ft=t&id=613637044352, 淘宝ID=小糖豆的小窝窝
SW1 SW2: library part "TSW 3x6", "3x6轻触开关", BOM名称=3x6轻触开关, 下单链接=https://item.taobao.com/item.htm?ft=t&id=613637044352, 淘宝ID=小糖豆的小窝窝
T1 T2: library part CMP-00025-00004-7, "RF Transformer 1: 1 5 Terminal SMD", RoHS Compliant=No
U1: library part CMP-0288-00091-1, "Ultrafast SiGe ECL Clock/Data Buffers, CP-16-3, Pb-Free, 50 Tray", +Supply Voltage (V)=3.3, Code_JEDEC=MO-220-VEED-2, ComponentLink1Description="Manufacturer URL", ComponentLink1URL=www.analog.com, ComponentLink2Description=Datasheet, ComponentLink2URL=http://www.analog.com/static/imported-files/data_sheets/ADCLK905_907_925.pdf, ComponentLink3Description="Package Specification", ComponentLink3URL=http://www.analog.com/static/imported-files/packages/PKG_PDF/LFCSP(CP)/CP_16_3.pdf, DatasheetVersion="Rev. 0", Inputs=1, Max f-out (MHz)=6000, On-Chip VCO or DCO=No, Output Logic="ECL; LVPECL; PECL", Outputs=2, PackageDescription="16-Lead Lead Frame Chip Scale Package [LFCSP_VQ]", PackageReference=CP-16-3, PackageVersion=Jan-2005, Product Description="Clock Buffer"
U2: library part CMP-0287-00184-1, "Fractional-N PLL with Integrated VCO 25 MHz to 3000 MHz, 3.1 to 3.5 V, -40 to 85 degC, 40-Pin QFN (LP6G), RoHS, Tape and Reel", Temperature Max="85 degC", Temperature Min="-40 degC", ComponentLink1Description="Manufacturer URL", ComponentLink1URL=http://www.analog.com/en/index.html, ComponentLink2Description=Datasheet, ComponentLink2URL=http://www.analog.com/media/en/technical-documentation/data-sheets/HMC832.pdf, ComponentLink3Description="Package Specification", ComponentLink3URL=http://www.analog.com/media/en/quality/hmc-qtr/QTR_2014-00368.pdf, DatasheetVersion="Rev. A", DVDD Max="3.1 V", DVDD Min="3.5 V", Mounting Technology="Surface Mount", PackageDescription="40-Pin Quad Flat No-Lead Package, Body 6 x 6 mm, Pitch 0.5 mm", Packing="Tape and Reel", PartNumber=HMC832LP6GE, Resolution Typ="3 Hz", RoHS=TRUE
U3: "6V Input, 1.2A Module,Synchronous Step-Down Converter,with Integrated Inductor", Mfr_Name="Monolithic Power Systems", RefDes=RefDes, Type=Type
U4 U6: library part CMP-04918-000009-1, "IC REG BUCK ADJ 1A SOT23-5", Manufacturer="Texas Instruments", Max Junction Temp=+125°C, Max Supply Voltage=5.5V, Min Supply Voltage=2.5V, Nominal Supply Current=35uA, Output Current=1A, Output Voltage=0.6-5.5V, Package=DBV0005A, Switching Frequency=1.5MHz, Temperature="-40°C to +125°C", Temperature Range Low=-40°C, Automotive=No, Category=IC, ComponentLink2Description=Datasheet, ComponentLink2URL=http://www.ti.com/lit/ds/symlink/tlv62568.pdf, Device Class L1="Integrated Circuits (ICs)", Device Class L2="Power Management ICs", Device Class L3="Voltage Regulators - Switching", Digikey Description="IC REG BUCK ADJ 1A SOT23-5", Height=1.45mm, Lead Free=Yes, Manufacturer Part Number=TLV62568DBVR, Max Duty Cycle=100%, Mouser Description="1-A High Efficiency Synchronous Buck Converter, SMD, 5-pin SOT-23, T/R 3k", Number Of Outputs=1, Octopart=https://octopart.com/tlv62568dbvr-texas+instruments-76926199, Output Type=AdjustableProgrammable, RoHS=TRUE, Standoff Height=0mm, Switching Topology=Buck, Temperature Range High=+125°C
U5 U7: library part CMP-0395-00597-2, "Single Output LDO, 1 A, Adjustable 0.8 to 6 V Output, 2.2 to 6.5 V Input, with High-Bandwidth PSRR, 8-pin SON (DRB), -40 to 125 degC, Green (RoHS & no Sb/Br)", Manufacturer="Texas Instruments", Accuracy(%)=3, ComponentLink1Description="Manufacturer URL", ComponentLink1URL=http://www.ti.com/, ComponentLink2Description=Datasheet, ComponentLink2URL=http://www.ti.com/general/docs/lit/getliterature.tsp?genericPartNumber=TPS7A8001&fileType=pdf, ComponentLink3Description="Package Specification", ComponentLink3URL=http://www.ti.com/litv/pdf/mpds118h, DatasheetVersion=SBVS135G, Eco-Plan="Green (RoHS & no Sb/Br)", Iout(Max)(A)=1, Iq(Typ)(mA)=0.04, Mounting Technology="Surface Mount", PackageDescription="8-Pin Plastic Small Outline, Body 3 x 3 mm, Pitch 0.65 mm", PackageReference=DRB0008A, PackageVersion=4203482-2/K, PartNumber=TPS7A8001DRBT, SubFamily="Single Channel LDO", Vdo(Typ)(mV)=170, Vin(Max)(V)=6.5, Vin(Min)(V)=2.2, Vout Adj(Max)(V)=6, Vout Adj(Min)(V)=0.8
U9: library part CMP-0004-01427-1, "16-Bit, 1 GSPS 2 x - 4 x Interpolating Dual-Channel DAC, -40 to 85 degC, 64-pin QFN (RGC64), Green (RoHS & no Sb/Br)", Manufacturer="Texas Instruments", Power Consumption(Typ)(mW)=1310, ComponentLink1Description="Manufacturer URL", ComponentLink1URL=http://www.ti.com/, ComponentLink2Description=Datasheet, ComponentLink2URL=http://www.ti.com/general/docs/lit/getliterature.tsp?genericPartNumber=DAC5682Z&fileType=pdf, ComponentLink3Description="Package Specification", ComponentLink3URL=http://www.ti.com/litv/pdf/mpqf125e, DAC Channels=2, DatasheetVersion=SLLS853E, Eco-Plan="Green (RoHS & no Sb/Br)", Interface="Parallel LVDS", Mounting Technology="Surface Mount", PackageDescription="64-Pin Plastic Quad Flatpack No-Lead, Body 9 x 9 mm, Pitch 0.5 mm", PackageReference=RGC64-7400X7400TP, PackageVersion="4204106/F, 11/2011", PartNumber=DAC5682ZIRGCT, Resolution(Bits)=16, Settling Time(us)=0.0104, SFDR(dB)=81, SNR(dB)=75, SubFamily="High Speed DAC (>10MSPS)"
X1: library part XTAL-ACT-4P, "4脚有源晶振", BOM名称=4脚有源晶振, 下单链接=https://item.taobao.com/item.htm?ft=t&id=613637044352, 淘宝ID=小糖豆的小窝窝

## Free pads (board coordinates)
  round 122.01 hole 122.01: 0(5206.46,4017.91) 0(5206.85,2551.42)

## Via types
v1: diameter 24, hole 12, Top Layer to Bottom Layer, tented both sides, 436 vias

## Nets (pads, with @x,y where several pads share a name; then routed paths per layer and width w, separated by ;. In a path a pad name is that pad's centre, name@x,y a point inside that pad or via, vN(x,y) a via of type N, cw(c..) or ccw(c..) an arc to the next point about the centre after c; other vN are vias at no path point)
+1.8: C21.2 C22.2 C71.2 C72.2 C73.2 C74.2 C75.2 C76.2 C77.2 C78.2 C79.2 C80.2 C81.2 C82.2 C83.2 C84.2 C85.2 C106.2 R12.2 U3.5 U3.6 U3.12 U9.1 U9.10 U9.39 U9.44 U9.50 U9.63 | length 665
  Top Layer w8: v1(4065,3840) 4205,3840 4263.07,3898.07 v1(4263.07,3955.9) ; v1(4267,3103) 4270.06,3106.06 4270.06,3111.57 4305.16,3146.67 U9.63@4314.88,3146.67 ; v1(4281,3429) 4284.06,3425.94 4284.06,3419.98 4301.46,3402.57 U9.50@4314.88,3402.57 ; v1(4336,3070) 4336,3074.33 4342.37,3080.7 U9.1@4342.44,3099.43 U9.1@4342.44,3099.43 ; v1(4404.08,3593.98) 4404.08,3572.92 4421.18,3555.82 U9.44@4421.18,3449.82 ; v1(4519.48,3070.75) 4519.6,3070.87 U9.10@4519.6,3099.43 ; U9.39@4519.6,3449.82 v1(4519.62,3478.4)
  Bottom Layer w8: U3.12@4246.41,3935.85 4263.07,3952.5 v1(4263.07,3955.9)
  other v1: 4355.73,3611.31 4015,3790 4040,3815 4090,3865
+3.3: C23.1 C24.1 C57.2 C58.2 C59.2 C60.2 C61.2 C62.2 C63.2 C64.2 C65.2 C66.2 C96.2 C97.2 C98.2 C99.2 C100.2 C101.2 C102.2 C103.2 FL1.3 R48.2 R54.2 T1.2 T2.2 U9.51 U9.54 U9.55 U9.59 U9.62 U10.5 U11.5 | length 319.7
  Top Layer w8: v1(4282.41,3387.32) 4286.74,3387.32 4291.1,3382.95 4314.81,3382.95 U9.51@4314.88,3382.89 ; v1(4285,3162) 4289.33,3162 4293.62,3166.29 4314.81,3166.29 U9.62@4314.88,3166.35 ; v1(4285,3227.75) 4287.28,3225.47 4314.81,3225.47 U9.59@4314.88,3225.41 ; U9.55@4314.88,3304.15 4314.81,3304.21 4304.79,3304.21 v1(4288,3321) 4290.77,3323.77 4314.81,3323.77 U9.54@4314.88,3323.83
  Top Layer w15: v1(4042.6,3358.19) 4043.26,3357.53 4121.81,3357.53 T1.2@4122.48,3356.86 ; v1(4042.83,3197.78) 4043.78,3196.83 4121.62,3196.83 T2.2@4122.57,3195.88
  other v1: 3512.61,2815.14 3549,2845 3512.37,2874.88 3461,3055.75 3635,3102 3461,3310.75 3636,3451
+3.3_D: C3.1 C17.2 C18.2 C19.2 C29.2 C30.2 C31.2 C32.2 C33.2 C34.2 C35.2 C36.2 C37.2 C38.2 C39.2 C40.2 C41.2 C42.2 C43.2 C44.2 C45.2 C46.2 C47.2 C49.1 C50.1 C51.1 C67.2 C68.2 C69.2 FB1.1 FL2.3 Q2.2 R1.2 R10.1 R13.2 R19.1 R41.1 SW1.2 U1.8 U1.13 U2.1 U2.3 U2.7 U2.10 U2.16 U2.17 U2.25 U2.27 U2.35 U2.36 U2.39 U8.20 U9.9 | length 4549.7
  Top Layer w8.65: U9.9@4499.92,3099.43 4499.92,3080.88 cw(c4491.27,3080.88) 4499.41,3077.97 ccw(c4519.48,3070.75) 4499.41,3063.54 cw(c4491.27,3060.62) 4499.92,3060.62 4499.92,3041.64 ccw(c4571.89,3041.64) v1(4521,2990.75)
  Top Layer w9.84: C36.2@4236.43,2245.75 4236.43,2247.72 4244.28,2255.57 U2.39@4316.2,2255.57 ; C34.2@4366,2173.46 4367.97,2173.46 4370.92,2176.42 4370.92,2190.2 4382.15,2201.43 U2.3@4382.15,2209.31
  Top Layer w15: FB1.1@4874.18,2367.1 C17.2@4874.18,2482.45
  Top Layer w20: FB1.1@4873.94,2366.86 FB1.1@4874.18,2367.1
  Layer 2 w18: 4604,2498 4607,2501 v1(4874,2501)
  Layer 2 w40: v1@4289.57,4546.57 v1(4312,4569) v1(4334,4591) 5151,4591 5551,4191 5551,2765 5438,2652 4550,2652
  other v1: 4823.37,1550.75 4622,1662 4267,1983.75 4783.15,2114.43 4485,2151 4560.99,2156.34 4339,2213 4296,2326 4554,2523 4571,2686.34 4548,2714 4291.58,2770.75 4309,2814.75 4436,2814.75 4532,2828 4339,4539 4289.52,4546.61
+4V: C25.2 C26.2 C27.2 C28.2 L1.2 R21.1 U5.5 U5.7 U5.8 | length 83.7
  Bottom Layer w8: R21.1@3597.75,2404.75 3597.75,2455.5 3621.06,2478.81
+4V_D: C52.2 C53.2 C54.2 C55.2 L2.2 R26.1 U7.5 U7.7 U7.8 | length 170
  Bottom Layer w8: R26.1@4438.05,4243.36 4501.95,4307.26 4574.12,4307.26 C53.2@4579.42,4301.95
+5: C12.2 C13.2 JP3.2 R22.1 U4.4
  other v1: 3652,2306.75
+5_D: C8.2 C9.2 C10.2 C11.2 JP1.2 JP2.2 LED1.1 R27.1 U3.7 U3.9 U6.4 | length 224.1
  Top Layer w8: v1(4372.91,4156.61) 4387.5,4142.02 4418.12,4142.02 R27.1@4419.51,4140.62
  Bottom Layer w8: C10.2@4079.99,4038.69 4082.46,4036.21 4146.04,4036.21 U3.9@4204.64,3977.61 ; U6.4@4369.43,4160.09 v1(4372.91,4156.61) 4376.39,4153.13 4387.43,4153.13 U6.4@4387.48,4153.18
BOOT0: C70.2 Q2.3 R45.2 SW1.1 U8.5 | length 721.3
  Top Layer w10: U8.5@4387.09,1801.72 U8.5@4387.17,1801.64 4387.17,1816.53 cw(c4487.17,1816.53) 4416.46,1887.25 4436.97,1907.75 cw(c4506.98,1837.74) 4506.98,1936.75 4588.08,1936.75 cw(c4588.08,1788.95) 4692.59,1893.46 SW1.1@4783.94,1802.11 4785.96,1800.08 R45.2@4785.96,1690.04 ; C70.2@4754.24,1689.96 4754.27,1690 4785.93,1690 R45.2@4785.96,1690.04 ; Q2.3@4785.97,1640.04 R45.2@4785.96,1690.04
CLK_N: C20.1 U2.28 | length 68.3
  Top Layer w8.65: U2.28@4382.15,2439.62 4382.15,2446.77 ccw(c4379.86,2446.77) 4381.48,2448.39 cw(c4383.1,2450.02) 4380.81,2450.02 4380.81,2462.75 4381.05,2462.99 4381.05,2490.26 cw(c4393.91,2490.26) 4384.82,2499.35 4387.19,2501.73 cw(c4390.55,2498.37) C20.1@4390.55,2503.12
CLK_P: C15.1 U2.29 | length 68.3
  Top Layer w8.65: C15.1@4354.55,2503.12 cw(c4354.55,2498.37) 4357.91,2501.73 4360.29,2499.35 cw(c4351.2,2490.26) 4364.05,2490.26 4364.05,2470.04 4363.81,2469.79 4363.81,2450.02 cw(c4361.51,2450.02) 4363.14,2448.39 ccw(c4364.76,2446.77) 4362.46,2446.77 U2.29@4362.46,2439.62
CP: C4.2 R4.2 R7.2 U2.4 | length 188.3
  Top Layer w9.84: v1(4401.36,2180.46) 4401.83,2180.94 U2.4@4401.83,2209.31
  Bottom Layer w9.84: R7.2@4375.37,2264.75 4376.37,2263.75 4409.37,2263.75 C4.2@4410.37,2262.75 ; v1(4401.36,2180.46) 4401.36,2184.3 4406.34,2189.27 4406.34,2259.8 4409.29,2262.75 C4.2@4410.37,2262.75 ; R4.2@4446.37,2264.75 4445.37,2263.75 4411.37,2263.75 C4.2@4410.37,2262.75